# KiCad board main.kicad_pcb (continued)
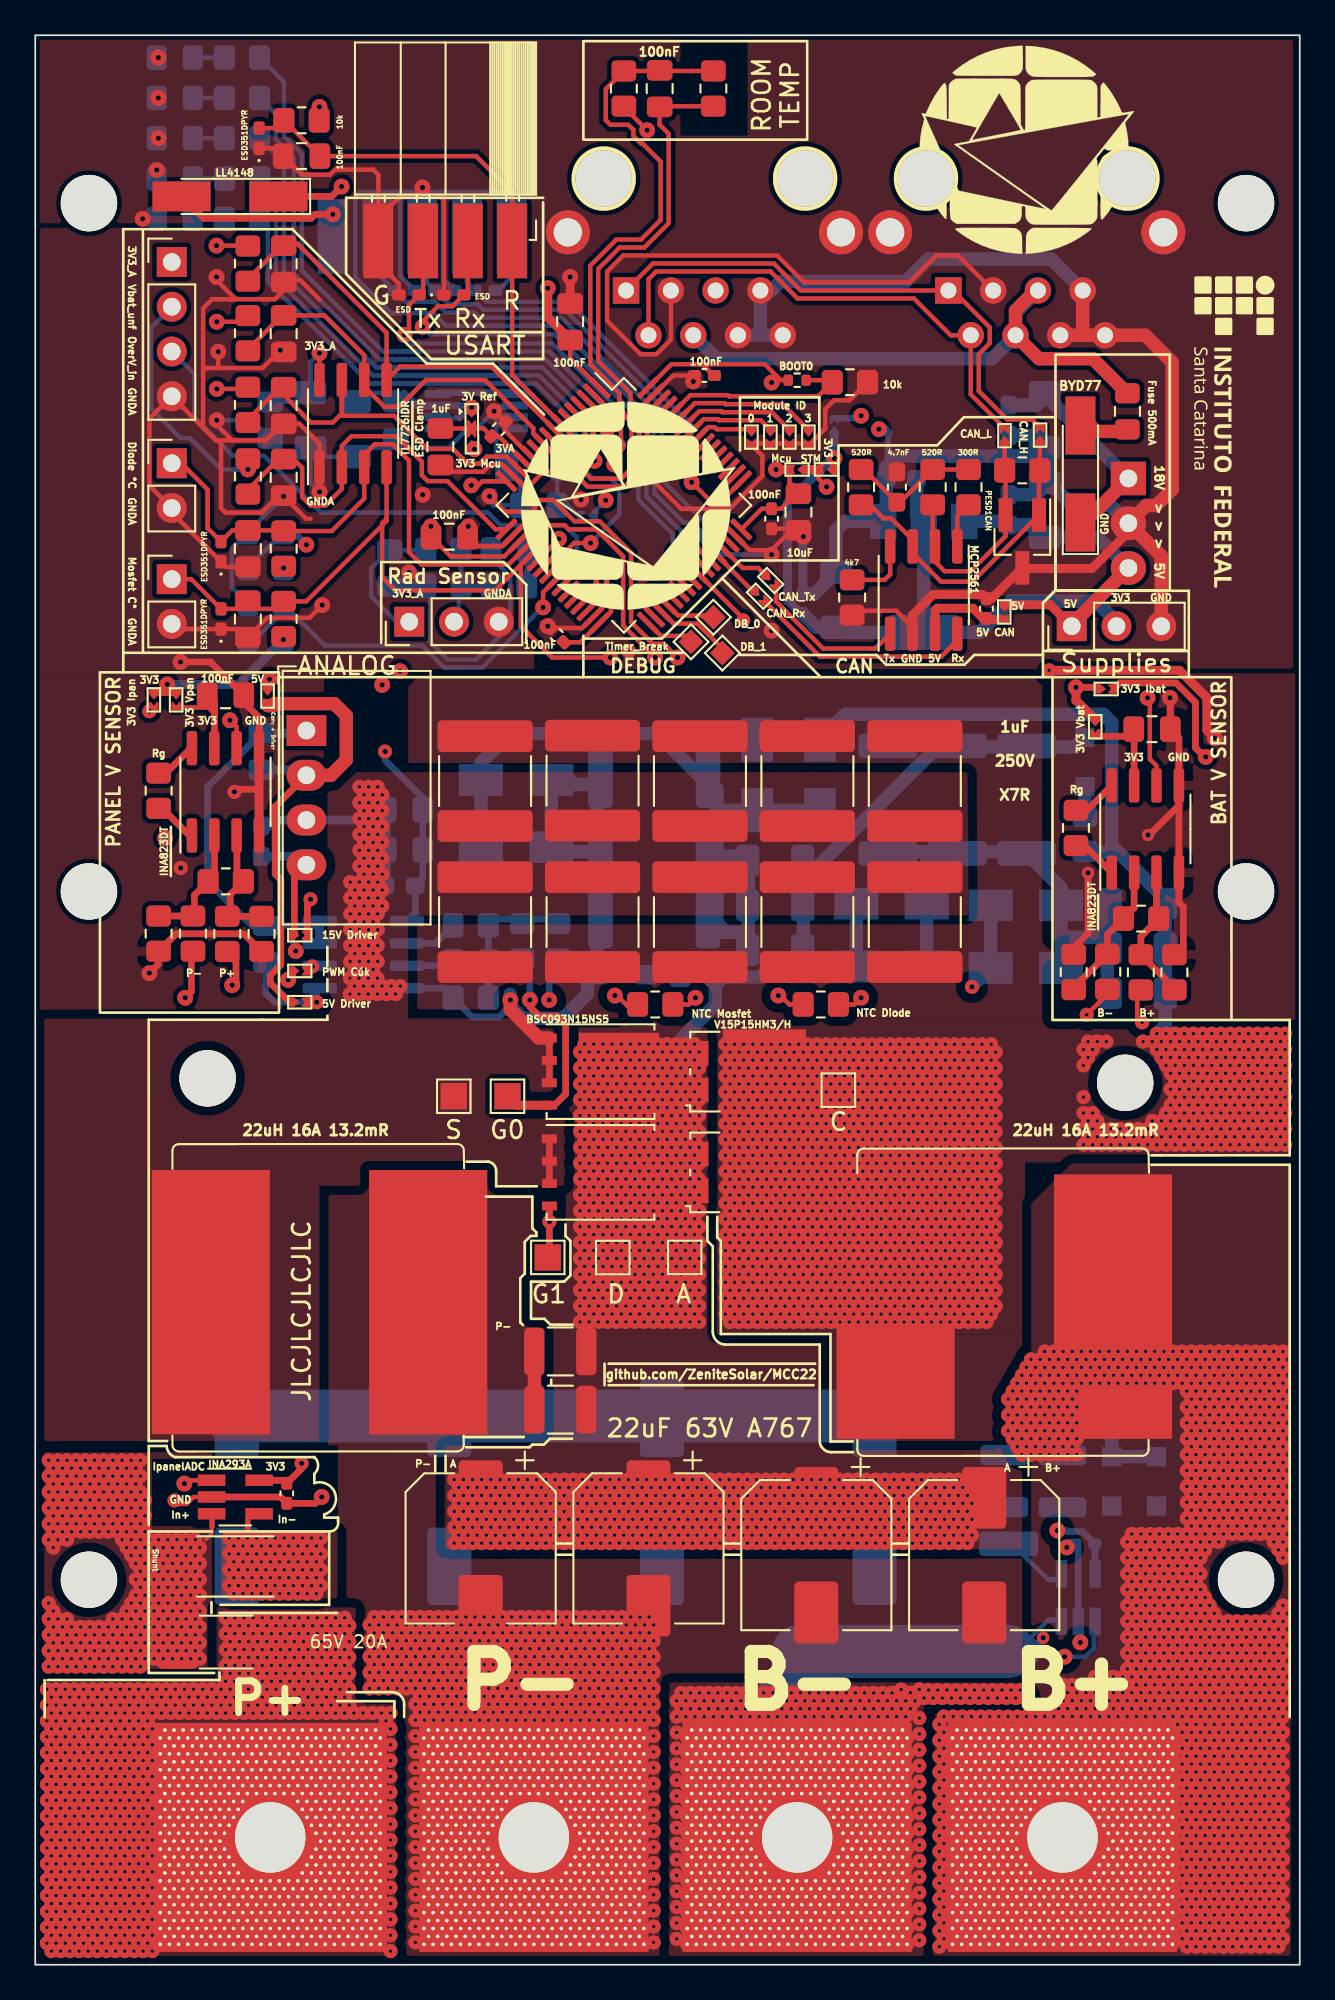
[diagram p0: board, top side]
## Footprints (pads in the part's own frame, mm; a bottom-side part is the same pattern mirrored in y, then rotated)
C_0402_1005Metric_Pad0.74x0.62mm_HandSolder
  rrect 0.735x0.62 smd: 1(-0.568,0) 2(0.568,0)
C_0603_1608Metric_Pad1.08x0.95mm_HandSolder
  rrect 1.075x0.95 smd: 1(-0.863,0) 2(0.863,0)
C_0805_2012Metric_Pad1.18x1.45mm_HandSolder
  rrect 1.175x1.45 smd: 1(-1.038,0) 2(1.038,0)
C_1206_3216Metric_Pad1.33x1.80mm_HandSolder
  rrect 1.325x1.8 smd: 1(-1.562,0) 2(1.562,0)
C_1210_3225Metric
  rrect 1.15x2.7 smd: 1(-1.475,0) 2(1.475,0)
C_2220_5650Metric
  rrect 1.8x5.4 smd: 1(-2.55,0) 2(2.55,0)
Converter_DCDC_Murata_MEE3SxxxxSC_THT
  rect 2.25x1.75 hole 1: 1(0,0)
  oval 2.25x1.75 hole 1: 2(0,-2.54) 3(0,-5.08) 4(0,-7.62)
CP_Elec_8x10
  rrect 3.5x2.5 smd: 1(-3.25,0) 2(3.25,0)
CP_Elec_10x12.5
  rrect 4.4x2.5 smd: 1(-4.2,0) 2(4.2,0)
D_0402_1005Metric_Pad0.77x0.64mm_HandSolder
  rrect 0.765x0.64 smd: 1(-0.573,0) 2(0.573,0)
D_MiniMELF_Handsoldering
  rect 3.3x1.7 smd: 1(-2.75,0) 2(2.75,0)
D_SMA
  rect 2.5x1.8 smd: 1(-2,0) 2(2,0)
D_SOD-123F
  rect 1.1x1.1 smd: 1(-1.4,0) 2(1.4,0)
Fuse_0805_2012Metric_Pad1.15x1.40mm_HandSolder
  rrect 1.15x1.4 smd: 1(-1.025,0) 2(1.025,0)
L_Pulse_PM227
  rect 6.7x15 smd: 1(-5.639,-0.254) 2(6.7,-0.254)
LED_0805_2012Metric_Pad1.15x1.40mm_HandSolder
  rrect 1.15x1.4 smd: 1(-1.025,0) 2(1.025,0)
LQFP-64_10x10mm_P0.5mm
  rrect 1.55x0.3 smd: 1(-5.675,3.75) 2(-5.675,3.25) 3(-5.675,2.75) 4(-5.675,2.25) 5(-5.675,1.75) 6(-5.675,1.25) 7(-5.675,0.75) 8(-5.675,0.25) 9(-5.675,-0.25) 10(-5.675,-0.75) 11(-5.675,-1.25) 12(-5.675,-1.75) 13(-5.675,-2.25) 14(-5.675,-2.75) 15(-5.675,-3.25) 16(-5.675,-3.75) 33(5.675,-3.75) 34(5.675,-3.25) 35(5.675,-2.75) 36(5.675,-2.25) 37(5.675,-1.75) 38(5.675,-1.25) 39(5.675,-0.75) 40(5.675,-0.25) 41(5.675,0.25) 42(5.675,0.75) 43(5.675,1.25) 44(5.675,1.75) 45(5.675,2.25) 46(5.675,2.75) 47(5.675,3.25) 48(5.675,3.75)
  rrect 0.3x1.55 smd: 17(-3.75,-5.675) 18(-3.25,-5.675) 19(-2.75,-5.675) 20(-2.25,-5.675) 21(-1.75,-5.675) 22(-1.25,-5.675) 23(-0.75,-5.675) 24(-0.25,-5.675) 25(0.25,-5.675) 26(0.75,-5.675) 27(1.25,-5.675) 28(1.75,-5.675) 29(2.25,-5.675) 30(2.75,-5.675) 31(3.25,-5.675) 32(3.75,-5.675) 49(3.75,5.675) 50(3.25,5.675) 51(2.75,5.675) 52(2.25,5.675) 53(1.75,5.675) 54(1.25,5.675) 55(0.75,5.675) 56(0.25,5.675) 57(-0.25,5.675) 58(-0.75,5.675) 59(-1.25,5.675) 60(-1.75,5.675) 61(-2.25,5.675) 62(-2.75,5.675) 63(-3.25,5.675) 64(-3.75,5.675)
MountingHole_3.2mm_M3
  round 3.2 hole 3.2 unplated: (0,0)
MountingHole_13mmx13mm_Rectangular
  round 0.8 hole 0.2: 1(-6.24,5.642) 1(-6.24,4.741) 1(-6.24,3.841) 1(-6.24,2.94) 1(-6.24,2.039) 1(-6.24,1.139) 1(-6.24,0.238) 1(-6.24,-0.662) 1(-6.24,-1.563) 1(-6.24,-2.464) 1(-6.24,-3.364) 1(-6.24,-4.265) 1(-6.24,-5.165) 1(-6.24,-6.066) 1(-5.98,6.092) 1(-5.98,5.191) 1(-5.98,4.291) 1(-5.98,3.39) 1(-5.98,2.49) 1(-5.98,1.589) 1(-5.98,0.689) 1(-5.98,-0.212) 1(-5.98,-1.113) 1(-5.98,-2.013) 1(-5.98,-2.914) 1(-5.98,-3.814) 1(-5.98,-4.715) 1(-5.98,-5.616) 1(-5.72,5.642) 1(-5.72,4.741) 1(-5.72,3.841) 1(-5.72,2.94) 1(-5.72,2.039) 1(-5.72,1.139) 1(-5.72,0.238) 1(-5.72,-0.662) 1(-5.72,-1.563) 1(-5.72,-2.464) 1(-5.72,-3.364) 1(-5.72,-4.265) 1(-5.72,-5.165) 1(-5.72,-6.066) 1(-5.46,6.092) 1(-5.46,5.191) 1(-5.46,4.291) 1(-5.46,3.39) 1(-5.46,2.49) 1(-5.46,1.589) 1(-5.46,0.689) 1(-5.46,-0.212) 1(-5.46,-1.113) 1(-5.46,-2.013) 1(-5.46,-2.914) 1(-5.46,-3.814) 1(-5.46,-4.715) 1(-5.46,-5.616) 1(-5.2,5.642) 1(-5.2,4.741) 1(-5.2,3.841) 1(-5.2,2.94) 1(-5.2,2.039) 1(-5.2,1.139) 1(-5.2,0.238) 1(-5.2,-0.662) 1(-5.2,-1.563) 1(-5.2,-2.464) 1(-5.2,-3.364) 1(-5.2,-4.265) 1(-5.2,-5.165) 1(-5.2,-6.066) 1(-4.94,6.092) 1(-4.94,5.191) 1(-4.94,4.291) 1(-4.94,3.39) 1(-4.94,2.49) 1(-4.94,1.589) 1(-4.94,0.689) 1(-4.94,-0.212) 1(-4.94,-1.113) 1(-4.94,-2.013) 1(-4.94,-2.914) 1(-4.94,-3.814) 1(-4.94,-4.715) 1(-4.94,-5.616) 1(-4.68,5.642) 1(-4.68,4.741) 1(-4.68,3.841) 1(-4.68,2.94) 1(-4.68,2.039) 1(-4.68,1.139) 1(-4.68,0.238) 1(-4.68,-0.662) 1(-4.68,-1.563) 1(-4.68,-2.464) 1(-4.68,-3.364) 1(-4.68,-4.265) 1(-4.68,-5.165) 1(-4.68,-6.066) 1(-4.42,6.092) 1(-4.42,5.191) 1(-4.42,4.291) 1(-4.42,3.39) 1(-4.42,2.49) 1(-4.42,1.589) 1(-4.42,0.689) 1(-4.42,-0.212) 1(-4.42,-1.113) 1(-4.42,-2.013) 1(-4.42,-2.914) 1(-4.42,-3.814) 1(-4.42,-4.715) 1(-4.42,-5.616) 1(-4.16,5.642) 1(-4.16,4.741) 1(-4.16,3.841) 1(-4.16,2.94) 1(-4.16,2.039) 1(-4.16,1.139) 1(-4.16,0.238) 1(-4.16,-0.662) 1(-4.16,-1.563) 1(-4.16,-2.464) 1(-4.16,-3.364) 1(-4.16,-4.265) 1(-4.16,-5.165) 1(-4.16,-6.066) 1(-3.9,6.092) 1(-3.9,5.191) 1(-3.9,4.291) 1(-3.9,3.39) 1(-3.9,2.49) 1(-3.9,1.589) 1(-3.9,0.689) 1(-3.9,-0.212) 1(-3.9,-1.113) 1(-3.9,-2.013) 1(-3.9,-2.914) 1(-3.9,-3.814) 1(-3.9,-4.715) 1(-3.9,-5.616) 1(-3.64,5.642) 1(-3.64,4.741) 1(-3.64,3.841) 1(-3.64,2.94) 1(-3.64,2.039) 1(-3.64,1.139) 1(-3.64,0.238) 1(-3.64,-0.662) 1(-3.64,-1.563) 1(-3.64,-2.464) 1(-3.64,-3.364) 1(-3.64,-4.265) 1(-3.64,-5.165) 1(-3.64,-6.066) 1(-3.38,6.092) 1(-3.38,5.191) 1(-3.38,4.291) 1(-3.38,3.39) 1(-3.38,2.49) 1(-3.38,1.589) 1(-3.38,0.689) 1(-3.38,-0.212) 1(-3.38,-1.113) 1(-3.38,-2.013) 1(-3.38,-2.914) 1(-3.38,-3.814) 1(-3.38,-4.715) 1(-3.38,-5.616) 1(-3.12,5.642) 1(-3.12,4.741) 1(-3.12,3.841) 1(-3.12,2.94) 1(-3.12,2.039) 1(-3.12,1.139) 1(-3.12,0.238) 1(-3.12,-0.662) 1(-3.12,-1.563) 1(-3.12,-2.464) 1(-3.12,-3.364) 1(-3.12,-4.265) 1(-3.12,-5.165) 1(-3.12,-6.066) 1(-2.86,6.092) 1(-2.86,5.191) 1(-2.86,4.291) 1(-2.86,3.39) 1(-2.86,2.49) 1(-2.86,1.589) 1(-2.86,0.689) 1(-2.86,-0.212) 1(-2.86,-1.113) 1(-2.86,-2.013) 1(-2.86,-2.914) 1(-2.86,-3.814) 1(-2.86,-4.715) 1(-2.86,-5.616) 1(-2.6,5.642) 1(-2.6,4.741) 1(-2.6,3.841) 1(-2.6,2.94) 1(-2.6,2.039) 1(-2.6,1.139) 1(-2.6,0.238) 1(-2.6,-0.662) 1(-2.6,-1.563) 1(-2.6,-2.464) 1(-2.6,-3.364) 1(-2.6,-4.265) 1(-2.6,-5.165) 1(-2.6,-6.066) 1(-2.34,6.092) 1(-2.34,5.191) 1(-2.34,4.291) 1(-2.34,3.39) 1(-2.34,2.49) 1(-2.34,1.589) 1(-2.34,0.689) 1(-2.34,-1.113) 1(-2.34,-2.013) 1(-2.34,-2.914) 1(-2.34,-3.814) 1(-2.34,-4.715) 1(-2.34,-5.616) 1(-2.08,5.642) 1(-2.08,4.741) 1(-2.08,3.841) 1(-2.08,2.94) 1(-2.08,2.039) 1(-2.08,1.139) 1(-2.08,-1.563) 1(-2.08,-2.464) 1(-2.08,-3.364) 1(-2.08,-4.265) 1(-2.08,-5.165) 1(-2.08,-6.066) 1(-1.82,6.092) 1(-1.82,5.191) 1(-1.82,4.291) 1(-1.82,3.39) 1(-1.82,2.49) 1(-1.82,1.589) 1(-1.82,-2.013) 1(-1.82,-2.914) 1(-1.82,-3.814) 1(-1.82,-4.715) 1(-1.82,-5.616) 1(-1.56,5.642) 1(-1.56,4.741) 1(-1.56,3.841) 1(-1.56,2.94) 1(-1.56,2.039) 1(-1.56,-2.464) 1(-1.56,-3.364) 1(-1.56,-4.265) 1(-1.56,-5.165) 1(-1.56,-6.066) 1(-1.3,6.092) 1(-1.3,5.191) 1(-1.3,4.291) 1(-1.3,3.39) 1(-1.3,2.49) 1(-1.3,-2.914) 1(-1.3,-3.814) 1(-1.3,-4.715) 1(-1.3,-5.616) 1(-1.04,5.642) 1(-1.04,4.741) 1(-1.04,3.841) 1(-1.04,2.94) 1(-1.04,-2.464) 1(-1.04,-3.364) 1(-1.04,-4.265) 1(-1.04,-5.165) 1(-1.04,-6.066) 1(-0.78,6.092) 1(-0.78,5.191) 1(-0.78,4.291) 1(-0.78,3.39) 1(-0.78,2.49) 1(-0.78,-2.914) 1(-0.78,-3.814) 1(-0.78,-4.715) 1(-0.78,-5.616) 1(-0.52,5.642) 1(-0.52,4.741) 1(-0.52,3.841) 1(-0.52,2.94) 1(-0.52,-2.464) 1(-0.52,-3.364) 1(-0.52,-4.265) 1(-0.52,-5.165) 1(-0.52,-6.066) 1(-0.26,6.092) 1(-0.26,5.191) 1(-0.26,4.291) 1(-0.26,3.39) 1(-0.26,2.49) 1(-0.26,-2.914) 1(-0.26,-3.814) 1(-0.26,-4.715) 1(-0.26,-5.616) 1(0,5.642) 1(0,4.741) 1(0,3.841) 1(0,2.94) 1(0,-2.464) 1(0,-3.364) 1(0,-4.265) 1(0,-5.165) 1(0,-6.066) 1(0.26,6.092) 1(0.26,5.191) 1(0.26,4.291) 1(0.26,3.39) 1(0.26,2.49) 1(0.26,-2.914) 1(0.26,-3.814) 1(0.26,-4.715) 1(0.26,-5.616) 1(0.52,5.642) 1(0.52,4.741) 1(0.52,3.841) 1(0.52,2.94) 1(0.52,-2.464) 1(0.52,-3.364) 1(0.52,-4.265) 1(0.52,-5.165) 1(0.52,-6.066) 1(0.78,6.092) 1(0.78,5.191) 1(0.78,4.291) 1(0.78,3.39) 1(0.78,2.49) 1(0.78,-2.914) 1(0.78,-3.814) 1(0.78,-4.715) 1(0.78,-5.616) 1(1.04,5.642) 1(1.04,4.741) 1(1.04,3.841) 1(1.04,2.94) 1(1.04,-2.464) 1(1.04,-3.364) 1(1.04,-4.265) 1(1.04,-5.165) 1(1.04,-6.066) 1(1.3,6.092) 1(1.3,5.191) 1(1.3,4.291) 1(1.3,3.39) 1(1.3,2.49) 1(1.3,-2.914) 1(1.3,-3.814) 1(1.3,-4.715) 1(1.3,-5.616) 1(1.56,5.642) 1(1.56,4.741) 1(1.56,3.841) 1(1.56,2.94) 1(1.56,2.039) 1(1.56,-2.464) 1(1.56,-3.364) 1(1.56,-4.265) 1(1.56,-5.165) 1(1.56,-6.066) 1(1.82,6.092) 1(1.82,5.191) 1(1.82,4.291) 1(1.82,3.39) 1(1.82,2.49) 1(1.82,1.589) 1(1.82,-2.013) 1(1.82,-2.914) 1(1.82,-3.814) 1(1.82,-4.715) 1(1.82,-5.616) 1(2.08,5.642) 1(2.08,4.741) 1(2.08,3.841) 1(2.08,2.94) 1(2.08,2.039) 1(2.08,1.139) 1(2.08,-1.563) 1(2.08,-2.464) 1(2.08,-3.364) 1(2.08,-4.265) 1(2.08,-5.165) 1(2.08,-6.066) 1(2.34,6.092) 1(2.34,5.191) 1(2.34,4.291) 1(2.34,3.39) 1(2.34,2.49) 1(2.34,1.589) 1(2.34,0.689) 1(2.34,-1.113) 1(2.34,-2.013) 1(2.34,-2.914) 1(2.34,-3.814) 1(2.34,-4.715) 1(2.34,-5.616) 1(2.6,5.642) 1(2.6,4.741) 1(2.6,3.841) 1(2.6,2.94) 1(2.6,2.039) 1(2.6,1.139) 1(2.6,0.238) 1(2.6,-0.662) 1(2.6,-1.563) 1(2.6,-2.464) 1(2.6,-3.364) 1(2.6,-4.265) 1(2.6,-5.165) 1(2.6,-6.066) 1(2.86,6.092) 1(2.86,5.191) 1(2.86,4.291) 1(2.86,3.39) 1(2.86,2.49) 1(2.86,1.589) 1(2.86,0.689) 1(2.86,-0.212) 1(2.86,-1.113) 1(2.86,-2.013) 1(2.86,-2.914) 1(2.86,-3.814) 1(2.86,-4.715) 1(2.86,-5.616) 1(3.12,5.642) 1(3.12,4.741) 1(3.12,3.841) 1(3.12,2.94) 1(3.12,2.039) 1(3.12,1.139) 1(3.12,0.238) 1(3.12,-0.662) 1(3.12,-1.563) 1(3.12,-2.464) 1(3.12,-3.364) 1(3.12,-4.265) 1(3.12,-5.165) 1(3.12,-6.066) 1(3.38,6.092) 1(3.38,5.191) 1(3.38,4.291) 1(3.38,3.39) 1(3.38,2.49) 1(3.38,1.589) 1(3.38,0.689) 1(3.38,-0.212) 1(3.38,-1.113) 1(3.38,-2.013) 1(3.38,-2.914) 1(3.38,-3.814) 1(3.38,-4.715) 1(3.38,-5.616) 1(3.64,5.642) 1(3.64,4.741) 1(3.64,3.841) 1(3.64,2.94) 1(3.64,2.039) 1(3.64,1.139) 1(3.64,0.238) 1(3.64,-0.662) 1(3.64,-1.563) 1(3.64,-2.464) 1(3.64,-3.364) 1(3.64,-4.265) 1(3.64,-5.165) 1(3.64,-6.066) 1(3.9,6.092) 1(3.9,5.191) 1(3.9,4.291) 1(3.9,3.39) 1(3.9,2.49) 1(3.9,1.589) 1(3.9,0.689) 1(3.9,-0.212) 1(3.9,-1.113) 1(3.9,-2.013) 1(3.9,-2.914) 1(3.9,-3.814) 1(3.9,-4.715) 1(3.9,-5.616) 1(4.16,5.642) 1(4.16,4.741) 1(4.16,3.841) 1(4.16,2.94) 1(4.16,2.039) 1(4.16,1.139) 1(4.16,0.238) 1(4.16,-0.662) 1(4.16,-1.563) 1(4.16,-2.464) 1(4.16,-3.364) 1(4.16,-4.265) 1(4.16,-5.165) 1(4.16,-6.066) 1(4.42,6.092) 1(4.42,5.191) 1(4.42,4.291) 1(4.42,3.39) 1(4.42,2.49) 1(4.42,1.589) 1(4.42,0.689) 1(4.42,-0.212) 1(4.42,-1.113) 1(4.42,-2.013) 1(4.42,-2.914) 1(4.42,-3.814) 1(4.42,-4.715) 1(4.42,-5.616) 1(4.68,5.642) 1(4.68,4.741) 1(4.68,3.841) 1(4.68,2.94) 1(4.68,2.039) 1(4.68,1.139) 1(4.68,0.238) 1(4.68,-0.662) 1(4.68,-1.563) 1(4.68,-2.464) 1(4.68,-3.364) 1(4.68,-4.265) 1(4.68,-5.165) 1(4.68,-6.066) 1(4.94,6.092) 1(4.94,5.191) 1(4.94,4.291) 1(4.94,3.39) 1(4.94,2.49) 1(4.94,1.589) 1(4.94,0.689) 1(4.94,-0.212) 1(4.94,-1.113) 1(4.94,-2.013) 1(4.94,-2.914) 1(4.94,-3.814) 1(4.94,-4.715) 1(4.94,-5.616) 1(5.2,5.642) 1(5.2,4.741) 1(5.2,3.841) 1(5.2,2.94) 1(5.2,2.039) 1(5.2,1.139) 1(5.2,0.238) 1(5.2,-0.662) 1(5.2,-1.563) 1(5.2,-2.464) 1(5.2,-3.364) 1(5.2,-4.265) 1(5.2,-5.165) 1(5.2,-6.066) 1(5.46,6.092) 1(5.46,5.191) 1(5.46,4.291) 1(5.46,3.39) 1(5.46,2.49) 1(5.46,1.589) 1(5.46,0.689) 1(5.46,-0.212) 1(5.46,-1.113) 1(5.46,-2.013) 1(5.46,-2.914) 1(5.46,-3.814) 1(5.46,-4.715) 1(5.46,-5.616) 1(5.72,5.642) 1(5.72,4.741) 1(5.72,3.841) 1(5.72,2.94) 1(5.72,2.039) 1(5.72,1.139) 1(5.72,0.238) 1(5.72,-0.662) 1(5.72,-1.563) 1(5.72,-2.464) 1(5.72,-3.364) 1(5.72,-4.265) 1(5.72,-5.165) 1(5.72,-6.066) 1(5.98,6.092) 1(5.98,5.191) 1(5.98,4.291) 1(5.98,3.39) 1(5.98,2.49) 1(5.98,1.589) 1(5.98,0.689) 1(5.98,-0.212) 1(5.98,-1.113) 1(5.98,-2.013) 1(5.98,-2.914) 1(5.98,-3.814) 1(5.98,-4.715) 1(5.98,-5.616) 1(6.24,5.642) 1(6.24,4.741) 1(6.24,3.841) 1(6.24,2.94) 1(6.24,2.039) 1(6.24,1.139) 1(6.24,0.238) 1(6.24,-0.662) 1(6.24,-1.563) 1(6.24,-2.464) 1(6.24,-3.364) 1(6.24,-4.265) 1(6.24,-5.165) 1(6.24,-6.066)
  rect 13x13 hole 4: 1(0,0)
NetTie-2_SMD_Pad0.3mm
  round 0.3 smd: 1(-0.356,0) 2(0.305,0)
PinHeader_1x02_P2.54mm_Vertical
  rect 1.7x1.7 hole 1: 1(0,0)
  oval 1.7x1.7 hole 1: 2(0,-2.54)
PinHeader_1x03_P2.54mm_Vertical
  rect 1.7x1.7 hole 1: 1(0,0)
  oval 1.7x1.7 hole 1: 2(0,-2.54) 3(0,-5.08)
PinHeader_1x04_P2.54mm_Vertical
  rect 1.7x1.7 hole 1: 1(0,0)
  oval 1.7x1.7 hole 1: 2(0,-2.54) 3(0,-5.08) 4(0,-7.62)
PinSocket_1x04_P2.54mm_Horizontal_SMD
  rect 4.24x1.7 smd: 1(1.168,-0.025) 2(1.168,-2.54) 3(1.168,-5.08) 4(1.168,-7.62)
PinSocket_1x05_P2.54mm_Horizontal_SMD
  rect 4.24x1.7 smd: 1(0.965,0) 2(0.965,-2.54) 3(0.965,-5.08) 4(0.965,-7.62) 5(0.965,-10.16)
R_0402_1005Metric
  rrect 0.54x0.64 smd: 1(-0.51,0) 2(0.51,0)
R_0805_2012Metric_Pad1.20x1.40mm_HandSolder
  rrect 1.2x1.4 smd: 1(-1,0) 2(1,0)
R_2512_6332Metric_Pad1.40x3.35mm_HandSolder
  rrect 1.4x3.35 smd: 1(-3.05,0) 2(3.05,0)
RJ45_YH59_01
  round 3.65 hole 3.2 unplated: (-1.265,-6.346) (10.165,-6.346)
  rect 1.5x1.5 hole 0.9: 1(0.005,0.004)
  round 1.5 hole 0.9: 2(1.275,2.544) 3(2.545,0.004) 4(3.815,2.544) 5(5.085,0.004) 6(6.355,2.544) 7(7.625,0.004) 8(8.895,2.544)
  round 2.5 hole 1.6: SH(-3.3,-3.296) SH(12.2,-3.296)
S6125-F
  rrect 2.5x3 smd: 1(-2.95,-0.12) 2(2.55,-0.12)
SOIC-8_3.9x4.9mm_P1.27mm
  rrect 1.95x0.6 smd: 1(-2.475,1.905) 2(-2.475,0.635) 3(-2.475,-0.635) 4(-2.475,-1.905) 5(2.475,-1.905) 6(2.475,-0.635) 7(2.475,0.635) 8(2.475,1.905)
SolderJumper-2_P0.5mm_Open_TrianglePad0.8x0.5mm
  rect 0.991x0.526 smd: (-0.521,0.002)
  custom 0.552x0.526 smd: 1(-1.016,0.002)
  custom 0.476x0.526 smd: 2(-0.178,0)
SolderJumper-3_P0.5mm_Open_TrianglePad0.8x0.5mm
  rect 1.219x0.529 smd: (-0.635,0.001)
  rect 1.168x0.52 smd: (0.559,-0.006)
  custom 0.806x0.526 smd: 1(-1.295,-0.051) 3(1.245,0.051)
  custom 0.984x0.526 smd: 2(-0.051,0)
SOT-23-5_HandSoldering
  rect 1.56x0.65 smd: 1(-1.35,0.95) 2(-1.35,0) 3(-1.35,-0.95) 4(1.35,-0.95) 5(1.35,0.95)
SOT-23_Handsoldering
  rect 1.9x0.8 smd: 1(-1.5,0.95) 2(-1.5,-0.95) 3(1.5,0)
SOT-223-3_TabPin2
  rect 2x1.5 smd: 1(-3.15,2.3) 2(-3.15,0) 3(-3.15,-2.3)
  rect 2x3.8 smd: 2(3.15,0)
TDSON-8-3
  rect 1.5x1.5 smd: (-0.2,0.85) (-0.2,-0.85) (1.5,0.85) (1.5,-0.85)
  custom 4.55x4.41 smd: (0.65,0)
  rect 0.75x0.5 smd: (2.905,1.905) (2.905,0.635) (2.905,-0.635) (2.905,-1.905)
  rect 0.85x0.5 smd: 1(-2.9,-1.905) 3(-2.9,1.905) 3(-2.9,0.635) 3(-2.9,-0.635)
  rect 4.55x4.41 smd: 2(1.05,0)
TestPoint_Pad_1.0x1.0mm_small
  rect 1x1 smd: 1(0,0)
TestPoint_Pad_1.5x1.5mm
  rect 1.5x1.5 smd: 1(0,0)
TO-220-3_Vertical
  rect 1.905x2 hole 1: 1(0,0)
  oval 1.905x2 hole 1: 2(2.54,0) 3(5.08,0)
TO-277A
  rect 1.25x1.2 smd: (-1.7,0.65) (-1.7,-1.04) (-1.7,-2.7) (0,0.65) (0,-1.04) (0,-2.7) (1.7,0.65) (1.7,-1.04) (1.7,-2.7)
  rect 1.4x1.27 smd: 1(-1.04,2.765) 2(1.04,2.765)
  rect 4.8x4.72 smd: 3(0,-1.04)
unnamed
  round 3.2 hole 3.2 unplated: (0,0)
VSSOP-8_3.0x3.0mm_P0.65mm
  rect 1.45x0.45 smd: 1(-2.2,0.975) 2(-2.2,0.325) 3(-2.2,-0.325) 4(-2.2,-0.975) 5(2.2,-0.975) 6(2.2,-0.325) 7(2.2,0.325) 8(2.2,0.975)

## Nets
+3V3: C605.2 C606.2 D601.2 J601.2 JP101.1 JP102.1 U602.2
+5V: C603.2 C604.2 J601.1 JP103.1 JP104.1 JP105.1 U601.3 U602.3
/3V3_Analog: C301.1 C313.1 C314.1 J301.1 J302.1 JP102.2 JP301.1 JP302.1 JP303.1 JP304.1 R301.2 R302.2 R303.1 R322.2 R324.2 R326.2 U305.8
/3V3_STM: D101.1 JP101.2 JP201.1
/5V_CAN: C701.2 JP105.2 U701.3
/5V_Driver: C502.1 JP104.2 JP502.1 PS501.2
/5V_STM: C201.2 C202.2 JP103.2 U201.1 U201.8
/Analog/3V3_Ibat: C306.1 JP304.2 U304.5
/Analog/3V3_IPanel: C305.1 JP303.2 U303.5
/Analog/3V3_Vbat: C308.1 JP302.2 U302.7
/Analog/3V3_Vpanel: C307.1 JP301.2 U301.7
/Analog/Vbat_comp: R324.1 R325.2 U202.16
/Analog/Vbat_comp_EXT: R322.1 R323.2 U202.25
/Analog/Vbat_comp_in_EXT: J301.3 U202.24
/Cuk/driver/+15V_isolated: C504.2 C505.2 C506.2 JP501.2 U501.5
/STM32/3V3_MCU: C206.2 C207.2 C208.1 C209.1 C210.1 C212.1 JP201.2 JP203.3 R201.1 R203.2 U202.1 U202.19 U202.32 U202.48 U202.64
/STM32/3V_Ref: C203.2 C204.2 JP203.1 NT203.1 U201.7
/STM32/3VA: C211.2 C213.2 JP203.2 U202.13
/Supplies/+18V: C601.2 C602.2 D102.1 U601.1
GND: C205.1 C206.1 C207.1 C208.2 C209.2 C210.2 C212.2 C502.2 C503.2 C601.1 C602.1 C603.1 C604.1 C605.1 C606.1 C701.1 C702.2 D103.1 D104.1 D105.1 D106.1 D107.1 D108.1 D201.1 D202.1 D203.1 D204.1 D205.1 D601.1 D701.3 J101.5 J102.4 J601.3 J801.3 J801.6 J801.7 J801.8 J801.SH J802.3 J802.6 J802.7 J802.8 J802.SH JP204.2 JP205.2 JP206.2 JP207.2 NT201.2 NT301.1 NT302.1 PS501.1 R202.2 R701.2 U202.18 U202.31 U202.47 U202.63 U501.3 U501.4 U601.2 U602.1 U701.2
GNDA: C201.1 C202.1 C203.1 C204.1 C211.1 C213.1 C301.2 C302.2 C303.2 C304.2 C305.2 C306.2 C307.2 C308.2 C309.2 C310.2 C311.2 C312.2 C313.2 C314.2 C315.2 D301.1 D302.1 J301.4 J302.3 J303.2 J304.2 NT201.1 NT202.1 NT301.2 NT302.2 R304.2 R310.1 R312.2 R313.1 R315.2 R323.1 R325.1 TH301.2 TH302.2 TH303.2 U201.3 U202.12 U202.15 U301.4 U301.5 U302.4 U302.5 U303.2 U304.2 U305.1
/Analog/I_bat_adc+: C312.1 R321.2 U202.8 U305.5
/Analog/I_panel_adc+: C311.1 R320.2 U202.14 U305.7
/Analog/V_bat_adc+: C310.1 R319.2 U202.17 U305.2
/Analog/V_bat_unfiltered+: J301.2 R319.1 U302.6
/Analog/V_panel_adc+: C309.1 R318.2 U202.10 U305.6
/Analog/V_Rad: C304.1 R305.1 U202.22
/Analog/V_temp_amb: C315.1 R326.1 TH303.1 U202.9
/Analog/V_temp_diode: C303.1 D302.2 J303.1 R301.1 TH301.1 U202.20 U305.3
/Analog/V_temp_mos: C302.1 D301.2 J304.1 R302.1 TH302.1 U202.21 U305.4
/B+: Co401.2 Co402.2 Co403.1 Co404.1 Co405.1 Co406.1 H104.1 L401.2 R308.2 R408.1
/B-: H103.1 NT104.2 R102.1 R309.2
/can/CAN_H: D701.1 JP109.1 R703.2 R705.2 U701.7
/can/CAN_L: D701.2 JP110.1 R704.1 R705.1 U701.6
/can/CAN_RX: JP107.2 U701.4
/can/CAN_TX: JP108.2 U701.1
/can_connector/CAN_18V: F102.2 J801.4 J801.5 J802.4 J802.5
/can_connector/CAN_H: J801.1 J802.1 JP109.2
/can_connector/CAN_L: J801.2 J802.2 JP110.2
/Cuk/A: C402.2 C403.2 C404.2 Ci401.1 Ci402.1 Ci403.1 Ci404.1 Ci405.1 Ci406.1 Co401.1 Co402.1 Co403.2 Co404.2 Co405.2 Co406.2 D406.1 D406.2 D407.1 D407.2 D408.1 D409.1 D412.2 D413.2 D414.2 NT102.2 NT103.2 Q401.2 Q402.2 R101.2 R102.2 R407.1 R409.1 R410.1 R411.1 TP403.1 TP406.1
/Cuk/C: C406.2 C407.2 C408.2 Cc401.1 Cc402.1 Cc403.1 Cc404.1 Cc405.1 Cc406.1 Cc407.1 Cc408.1 Cc409.1 Cc410.1 D403.1 D404.1 D406.3 D407.3 L401.1 R412.1 TP405.1
/Cuk/driver/OUT_G: R401.2 R405.1 R406.1 R501.2 R502.2
/Cuk/G0: Q401.1 R405.2 TP401.1
/Cuk/G1: Q402.1 R406.2 TP402.1
/Cuk/PWM_IN: JP106.2 U501.2
/Cuk/S: C501.1 C504.1 C505.1 C506.1 Cc401.2 Cc402.2 Cc403.2 Cc404.2 Cc405.2 Cc406.2 Cc407.2 Cc408.2 Cc409.2 Cc410.2 D401.1 D402.1 D405.2 D410.2 D411.2 Li401.1 PS501.3 Q401.3 Q402.3 R401.1 R402.1 R403.1 R404.1 TP404.1 U501.8
/IBat+: NT104.1 U304.3
/IBat-: NT103.1 U304.4
/IPanel+: NT101.1 U303.3
/IPanel-: NT102.1 U303.4
/P+: F101.1 NT101.2 R101.1 R306.2
/P+Unfused: F101.2 H102.1
/P-: Ci401.2 Ci402.2 Ci403.2 Ci404.2 Ci405.2 Ci406.2 H101.1 Li401.2 R307.2
/PWM: JP106.1 U202.41
/RESET: C205.2 D106.2 J102.1 R203.1 U202.7
/STM32/Bat_OverV_Out: R208.1 U202.23
/STM32/BOOT0: R201.2 R202.1 U202.60
/STM32/CAN_BUSY: R204.1 U202.5
/STM32/CAN_RX: JP107.1 U202.44
/STM32/CAN_TX: JP108.1 U202.45
/STM32/LED_0: R207.1 U202.2
/STM32/LED_1: R206.1 U202.3
/STM32/PWM_N: U202.34
/STM32/STATUS_LED: R205.1 U202.4
/SWCLK: D105.2 J101.4 U202.49
/SWDIO: D103.2 J101.2 U202.46
/SWO: D104.2 J101.3 U202.55
/USART_RX: D107.2 J102.2 U202.43
/USART_TX: D108.2 J102.3 U202.42
Net-(C402-Pad1): C402.1 C403.1 C404.1 D401.2 D402.2 D403.2 D404.2 R402.2 R403.2 R404.2
Net-(C406-Pad1): C406.1 C407.1 C408.1 D408.2 D409.2 D410.1 D411.1 R409.2 R410.2 R411.2
Net-(C501-Pad2): C501.2 JP501.1 PS501.4
Net-(C503-Pad1): C503.1 JP502.2 U501.1
Net-(C702-Pad1): C702.1 R702.1 R703.1 R704.2
Net-(D101-Pad2): D101.2 J101.1
Net-(D102-Pad2): D102.2 F102.1
Net-(D201-Pad2): D201.2 R204.2
Net-(D202-Pad2): D202.2 R205.2
Net-(D203-Pad2): D203.2 R206.2
Net-(D204-Pad2): D204.2 R207.2
Net-(D205-Pad2): D205.2 R208.2
Net-(D405-Pad1): D405.1 R407.2
Net-(D412-Pad1): D412.1 R412.2
Net-(D413-Pad1): D413.1 D414.1 R408.2
Net-(J302-Pad2): J302.2 R303.2 R304.1 R305.2
Net-(JP204-Pad1): JP204.1 U202.56
Net-(JP205-Pad1): JP205.1 U202.57
Net-(JP206-Pad1): JP206.1 U202.58
Net-(JP207-Pad1): JP207.1 U202.59
Net-(NT202-Pad2): NT202.2 U201.2
Net-(NT203-Pad2): NT203.2 U201.6
Net-(R306-Pad1): R306.1 R310.2 R311.2 U301.3
Net-(R307-Pad1): R307.1 R311.1 R312.1 U301.2
Net-(R308-Pad1): R308.1 R313.2 R314.2 U302.3
Net-(R309-Pad1): R309.1 R314.1 R315.1 U302.2
Net-(R316-Pad1): R316.1 U301.8
Net-(R316-Pad2): R316.2 U301.1
Net-(R317-Pad1): R317.1 U302.8
Net-(R317-Pad2): R317.2 U302.1
Net-(R318-Pad1): R318.1 U301.6
Net-(R320-Pad1): R320.1 U303.1
Net-(R321-Pad1): R321.1 U304.1
Net-(R501-Pad1): R501.1 U501.6
Net-(R502-Pad1): R502.1 U501.7
Net-(R701-Pad1): R701.1 U701.8
Net-(R702-Pad2): R702.2 U701.5
Net-(TP201-Pad1): TP201.1 U202.36
Net-(TP202-Pad1): TP202.1 U202.35
Net-(TP203-Pad1): TP203.1 U202.33

Pads without a net: U201 4 5; U202 6 11 26 27 28 29 30 37 38 39 40 50 51 52 53 54 61 62

## Via types
v1: diameter 0.9, hole 0.3, Top to Bottom, 98 vias
v2: diameter 0.8, hole 0.2, Top to Bottom, 5233 vias
v3: diameter 0.8, hole 0.3, Top to Bottom, 11 vias
v4: diameter 0.7, hole 0.3, Top to Bottom, 3 vias

## Routing (per net, layer and track width the routed paths; a pad name or vN(x,y) marks a point on that pad's centre or on a via; arc(x,y) is an arc through that point)
+3V3: length 40.9
  Top w0.508: v1(45.35,85.47) 45.35,84.89 JP101.1
  Bottom w0.508: D601.2 43.46,76.64 42.69,77.41 42.69,82.95 45.21,85.47 v1(45.35,85.47) 45.34,85.49 JP102.1
  Bottom w0.762: 61.36,76.19 60.16,77.38 55.37,77.38 53.58,75.59 U602.2 ; C605.2 50.01,82.3 U602.2 U602.2 ; U602.2 45.73,75.59 C606.2 44.32,75.88 D601.2
+5V: length 93.6
  Top w0.381: JP104.1 13.19,72.83 v1(13.29,72.94)
  Top w0.508: 58.61,76.16 57.6,77.16 JP105.1
  Top w0.762: 58.82,76.03 U601.3
  In1.Cu w0.762: 44.1,71.45 16.89,71.45 15.4,72.94 v1(13.29,72.94) ; 44.1,71.45 59.8,71.45 60.33,71.97 60.33,74.44 J601.1 ; 44.1,71.45 44.1,75.6 41.17,78.52 34.42,78.52 33.42,79.52 33.42,82.04 v1(32.37,83.09)
  Bottom w0.254: v1(32.37,83.09) 31.74,82.46 JP103.1
  Bottom w0.762: U602.3 55.3,81.89 55.5,81.69 56.83,81.69 57.53,80.99 60.29,80.99 U601.3
/3V3_Analog: length 155.3
  Top w0.254: v1(16.13,91.44) U305.8 ; v1(34.72,104.09) 33.4,105.41
  Top w0.381: v1(7.49,72.64) 7.28,72.43 7.28,72.17 ; JP303.1 7.28,72.17 ; 7.28,72.17 JP301.1 ; 60.27,72.48 v1(59.06,72.48)
  Top w0.508: JP302.1 59.06,71.74 v1(59.06,72.48)
  In1.Cu w0.508: 14.46,94.85 19.06,94.85 19.94,93.98 19.94,90.17 ; 14.46,94.85 9.5,94.85 J301.1 ; 14.46,94.85 14.46,101.2 17.65,104.39 34.41,104.39 v1(34.72,104.09) 40.76,98.04 41.78,98.04 46.86,92.96 v1(46.86,87.88) 46.86,73.91 48.3,72.48 v1(59.06,72.48) ; v1(16.13,91.44) 18.92,91.44 19.94,90.42 19.94,90.17 ; 19.94,90.17 19.94,81.53 17.65,79.25 v1(14.1,79.25) 14.08,79.23 v1(14.08,75.18) 15.1,76.2 J302.1
  Bottom w0.254: C301.1 19.06,79.23 19.06,77.63 20.49,76.2 J302.1 ; R303.1 20.13,80.26 ; v1(16.13,91.44) 15.62,90.93 C313.1 ; C314.1 15.1,88.67
  Bottom w0.381: JP102.2 46.73,87.75 v1(46.86,87.88)
  Bottom w0.508: v1(7.49,72.64) 11.54,72.64 v1(14.08,75.18)
/3V3_STM: length 48.5
  Top w0.254: v1(44.9,83.85) 44.46,84.3 JP101.2
  Top w0.381: v1(17.38,100.89) 16.82,100.33 D101.1
  Top w0.508: JP101.2 44.45,84.83 JP201.1
  In1.Cu w0.508: v1(17.38,100.89) 20.18,103.69 33.84,103.69 34.35,103.18 34.36,103.18 40.33,97.21 41.44,97.21 44.45,94.2 44.45,84.31 v1(44.9,83.85)
/5V_CAN: length 5.6
  Top w0.508: JP105.2 54.03,76.32 C701.2 53.8,76.38 53.21,76.96 51.18,76.96 51.05,76.84 U701.3
/5V_Driver: length 26.4
  Top w0.381: JP502.1 14.43,54.61 13.33,55.71 13.33,56.13 13.93,56.73 13.93,61.57 13.62,61.88 13.62,65.72 15.13,67.23
  Top w0.762: 13.19,71.44 13.47,71.44 13.58,71.55 16.97,71.55 17.65,70.87 17.65,68.36 16.78,67.49 PS501.2
  Bottom w0.508: C502.1 15.08,67.8
/5V_STM: length 13
  Bottom w0.254: 30.19,82.8 30.77,82.22 ; C201.2 29.88,87.34 28.11,89.11 U201.1 ; C202.2 29.61,84.82
  Bottom w0.381: U201.1 27.13,89.2 22.9,89.2 U201.8
/Analog/3V3_Ibat: length 64.3
  Top w0.381: JP304.2 61.54,72.72 64.74,72.72 65.84,71.62 65.84,69.04 66.35,68.53 v1(66.42,68.53)
  In1.Cu w0.381: v1(66.42,68.53) 65.1,68.53 57.67,61.1 57.67,37.22 54.17,33.73 54.17,28.1 57.63,24.64 v1(58,24.64)
  Bottom w0.381: U304.5 60.13,23.87 ; v1(58,24.64) 58.5,24.64 58.56,24.58 59.43,24.58 60.13,23.88
/Analog/3V3_IPanel: length 49.9
  Top w0.254: 6.58,71.22 v3(6.48,71.12)
  Top w0.381: v3(15.11,28.45) 15.11,28.15 C305.1 14.1,27.49 U303.5
  In1.Cu w0.381: v3(15.11,28.45) 15.11,52.32 12.76,54.67 12.76,56.13 11.9,57 11.2,57 6.48,61.72 v3(6.48,71.12)
/Analog/3V3_Vbat: length 5.5
  Top w0.381: U302.7 62.36,70.08 ; C308.1 61.93,69.7 60.15,69.7
/Analog/3V3_Vpanel: length 5.5
  Top w0.254: 10.18,70.98 9.82,71.33 JP301.2
  Top w0.381: 10.18,69.02 10.18,71.61 C307.1
/Analog/Vbat_comp: length 20.5
  Top w0.254: v1(24.74,83.93) 25.13,83.93 25.36,84.17 U202.16
  In2.Cu w0.254: v1(15.38,80.57) 15.36,80.6 15.36,84.32 16.13,85.09 23.59,85.09 v1(24.74,83.93)
  Bottom w0.254: 12.08,79.28 R325.2
  Bottom w0.381: R325.2 14.67,81.28 v1(15.38,80.57)
/Analog/Vbat_comp_EXT: length 21.9
  Top w0.254: v1(28.82,77.01) 28.82,77.87 U202.25
  Bottom w0.254: R323.2 16.43,74.86 21.95,74.86 23.21,73.6 25.37,73.6 28.78,77.01 v1(28.82,77.01) ; 12.45,75.18 14.06,76.8
/Analog/Vbat_comp_in_EXT: length 32
  Top w0.254: v1(31.07,79.66) 29.87,79.66 29.46,79.25
  Bottom w0.254: J301.3 9.02,90.26 9.02,87.82 11.22,85.61 12.99,85.61 16.21,82.39 25.69,82.39 26.4,81.68 30.04,81.68 30.74,80.98 30.74,79.99 v1(31.07,79.66)
/Cuk/driver/+15V_isolated: length 24
  Top w0.381: 15.44,58.49 15.44,60.27 v3(15.62,60.45)
  In1.Cu w0.381: v3(15.62,60.45) 17.4,62.23 17.4,68.07 18.16,68.83 v3(19.85,68.83)
  Bottom w0.381: U501.5 21.56,59.69 C506.2 21.99,61.64 C504.2 21.99,66.2 19.85,68.34 v3(19.85,68.83)
/STM32/3V3_MCU: length 105.5
  Top w0.254: U202.1 30.35,91.16 C206.2 ; U202.48 41.23,82.61 42.33,82.61 43.31,83.59 42.8,84.1 JP201.2 ; v1(32.13,78.49) 32.67,77.94 32.67,76.77 U202.32 30.94,75.04 C208.1 ; 37.34,90.81 37.84,90.81 38.48,90.17 ; U202.64 36.1,90.81 41.4,90.81 42.29,89.92 ; 42.29,89.92 41.93,89.92 v1(41.78,89.77) ; 42.29,89.92 42.71,89.92 ; C207.2 23.58,79.9 26.61,79.9 U202.19
  Top w0.508: 30.37,92.18 29.08,93.47 v1(29.08,95.13) ; JP201.2 v1(42.04,84.84)
  In1.Cu w0.508: 28.81,88.66 28.81,94.86 v1(29.08,95.13) ; 28.81,88.66 28.81,86.12 ; 28.81,88.66 41.04,88.66 ; 28.83,80.01 28.32,79.5 24.57,79.5 v1(22.46,81.61) ; 28.83,80.01 28.81,80 28.81,86.12 ; 28.83,80.01 30.35,78.49 v1(32.13,78.49) ; 41.04,88.66 41.78,89.41 v1(41.78,89.77) ; 41.04,88.66 42.04,87.66 v1(42.04,84.84) ; 28.81,86.12 28.7,86.01 24.95,86.01 v1(24.92,85.99)
  In2.Cu w0.254: v1(29.08,95.13) 27.81,96.4 27.81,104.14 27.3,104.65 16.89,104.65 v1(16.13,105.41)
/STM32/3V_Ref: length 7.8
  Bottom w0.254: v1(24.77,88.36) 24.73,88.36 24.13,87.76 NT203.1 ; 20.45,89.18 20.43,89.19 18.16,89.19
  Bottom w0.381: 20.45,89.18 20.45,89.15 20.7,88.9 ; v1(24.77,88.36) 24.66,88.46 U201.7 21.65,88.46 20.93,89.18
/STM32/3VA: length 5.6
  Top w0.254: 24.77,87.17 25.44,87.17 C211.2 26.3,86.72 U202.13 ; C213.2 24.76,87.17
/Supplies/+18V: length 12.9
  Top w0.762: 59.31,81.61 U601.1
  Bottom w0.762: 55.5,88.49 56.83,88.49 57.53,89.19 57.53,88.83 U601.1
GND: length 577.3
  Top w0.254: 43.03,81.51 41.78,80.26 40.54,80.26 U202.47 ; J802.3 52.37,96.98 51.13,96.98 49.6,95.45 43.63,95.45 42.1,96.98 33.36,96.98 32.45,96.07 32.45,93.28 34.35,91.38 35.24,91.38 36.07,92.2 J801.3 ; 27.11,81.09 28.32,82.3 NT301.1 26.64,82.45 v1(25.78,83.31) ; C210.2 43.27,81.47 ; 23.19,94.75 23.19,100.13 22.99,100.33 21.46,100.33 ; C207.1 25.07,80.49 26.53,80.49 27.09,81.06 ; 20.19,99.82 20.7,100.33 21.46,100.33 ; 46.6,76.82 48.86,76.82 49.78,75.9 ; D108.1 20.64,95.37 19.47,96.53 ; 21.46,100.33 v1(21.97,100.84) ; C209.2 37.41,89.89 v1(37.34,89.83) ; JP204.2 41.26,85.62 41.26,84.47 39.4,82.61 36.65,82.61 34.74,84.52 34.74,87.93 34.52,88.15 34.52,88.52 U202.63 ; 40.64,86.32 43.8,86.32 JP207.2 43.91,86.24 44.83,87.16 44.83,88.27 45.33,88.76 46.2,88.76 R202.2 ; J102.4 19.47,101.56 19.18,101.85 17.02,101.85 16.73,101.56 15.13,101.56 C205.1 ; 35.14,89.11 36.2,90.17 37.44,90.17 ; 12.83,103.06 13.63,103.06 ; U202.31 31.03,75.84 C208.2
  Top w0.508: D701.3 54.27,77.51 C701.1 53.74,77.75 50.95,77.75 49.78,76.58 U701.2 ; v1(43.59,81.03) 43.59,81.23 ; 30.35,94.76 v1(30.35,95.76) ; 56.05,79.22 59.97,79.22 62.03,81.28 ; 63.88,79.94 63.9,79.92
  Top w0.762: 63.88,79.94 U601.2 63.04,82.79 63.61,82.79 64.52,83.7 64.52,90.93 62.99,92.45 J802.8 59.31,92.45 ; 58.17,92.45 59.31,92.45 ; 59.31,92.45 59.44,92.58 J802.7 ; 63.9,79.92 J601.3
  In1.Cu w0.254: v1(41.78,75.69) 41.78,75.6 38.8,72.61 v1(19.69,72.61) 19.69,74.04 19.92,74.27 27.41,74.27 v1(29.08,75.95)
  In1.Cu w0.508: 22.38,82.52 23.67,82.52 v1(24.57,81.61) 25.35,81.61 25.78,82.04 v1(25.78,83.31) 25.78,84.18 25.12,84.84 24.79,84.84 24,85.64 24,86.38 24.74,87.12 27.56,87.12 28.07,87.63 28.07,95.39 28.95,96.27 29.84,96.27 v1(30.35,95.76) 30.35,95.12 29.52,94.29 29.52,90.24 29.93,89.83 v1(37.34,89.83) 38.18,90.67 42.3,90.67 43.59,89.39 v1(43.59,81.03) ; 22.06,82.5 21.92,82.5 21.55,82.13 21.55,81.19 23.95,78.79 25.73,78.79 28.58,75.95 v1(29.08,75.95)
  In1.Cu w0.762: 41.15,93.72 J801.7 ; 41.15,93.72 42.42,92.45 ; 41.15,93.72 J801.6 ; 59.44,93.72 J802.7 ; 59.44,93.72 J802.8 58.17,92.45 59.44,93.72 ; 15.85,70.48 60.2,70.48 63.9,74.18 J601.3
  In2.Cu w0.254: v1(19.69,72.61) 19.36,72.94 15.03,72.94 13.79,71.69 13.79,57.97 14.24,57.51 v1(14.78,57.51) ; 36.07,95.12 38.27,97.33 41.82,97.33 48.73,90.42 52.58,90.42 54.36,92.2 J802.3 53.28,96.07 50.74,96.07 49.61,94.94 46.29,94.94 42.48,98.75 35.12,98.75 32.39,96.01 32.39,92.46 33.58,91.26 35.13,91.26 36.07,92.2 J801.3 36.07,95.12
  In2.Cu w0.762: 41.15,93.72 J801.7 ; 41.15,93.72 J801.6 ; 41.15,93.72 42.42,92.45 43.75,92.45 47.56,88.65 54.36,88.65 59.44,93.72 ; 59.44,93.72 J802.8 ; 59.44,93.72 J802.7
  Bottom w0.254: 22.99,100.58 26.54,100.58 27.03,100.1 J101.5 27.03,95.74 26.29,95 ; 22.99,100.58 20.85,100.58 ; 22.99,100.58 23.13,100.44 23.13,95.62 23.75,95 ; 14.63,58.95 14.63,57.67 ; v1(41.78,80.01) 38.61,80.01 37.74,80.88 37.74,81.35 37.29,81.8 36.83,81.8 35.13,83.5 35.13,87.48 29.62,93 23.3,93 22.6,93.7 20.22,93.7 18.16,95.76 18.16,100.33 18.41,100.58 20.85,100.58 ; NT201.2 25.98,83.11 v1(25.78,83.31) ; 20.85,100.58 20.7,100.43 20.7,95.82 D103.1
  Bottom w0.381: NT302.1 48.39,85.09 48.29,84.99 ; C502.2 9.78,66.82 9.78,61.47 12.3,58.95 C503.2 15.87,58.95 U501.4
  Bottom w0.508: D601.1 43.56,81 v1(43.59,81.03) ; C502.2 15.23,69.87 ; U501.3 U501.4
  Bottom w0.762: 59.31,92.45 59.44,92.58 J802.7 57.65,96.77 50.67,96.77 49.4,95.5 42.29,95.5 41.78,94.99 J801.7 41.15,92.58 41.28,92.45 ; 59.31,92.45 58.17,92.45 ; 59.31,92.45 J802.8 ; U602.1 45.95,81.89 45.44,81.38 C606.1 44.22,77.79 D601.1 ; U601.2 61.03,82.79 58.85,82.79 57.53,84.11 ; 41.28,92.45 42.42,92.45 ; 41.28,92.45 J801.6 ; 57.53,84.11 57.53,85.09 ; 57.53,84.11 56.83,83.41 55.5,83.41 ; 48.29,82.06 C605.1 48.29,84.99 48.9,85.6 57.02,85.6 57.53,85.09 ; 57.53,85.09 57.53,86.07 56.83,86.77 55.5,86.77 ; v1(6.1,99.06) D205.1
  vias: v1(6.89,101.83) v1(6.99,108.2) v1(6.99,105.92) v1(6.99,103.63) v1(7.37,63.92) v1(30.97,83.13) v2(33.67,74.52)
